# Altium PCB CPU-board-multi-rev.0.1.PcbDoc (part 1 of 3) (continued)
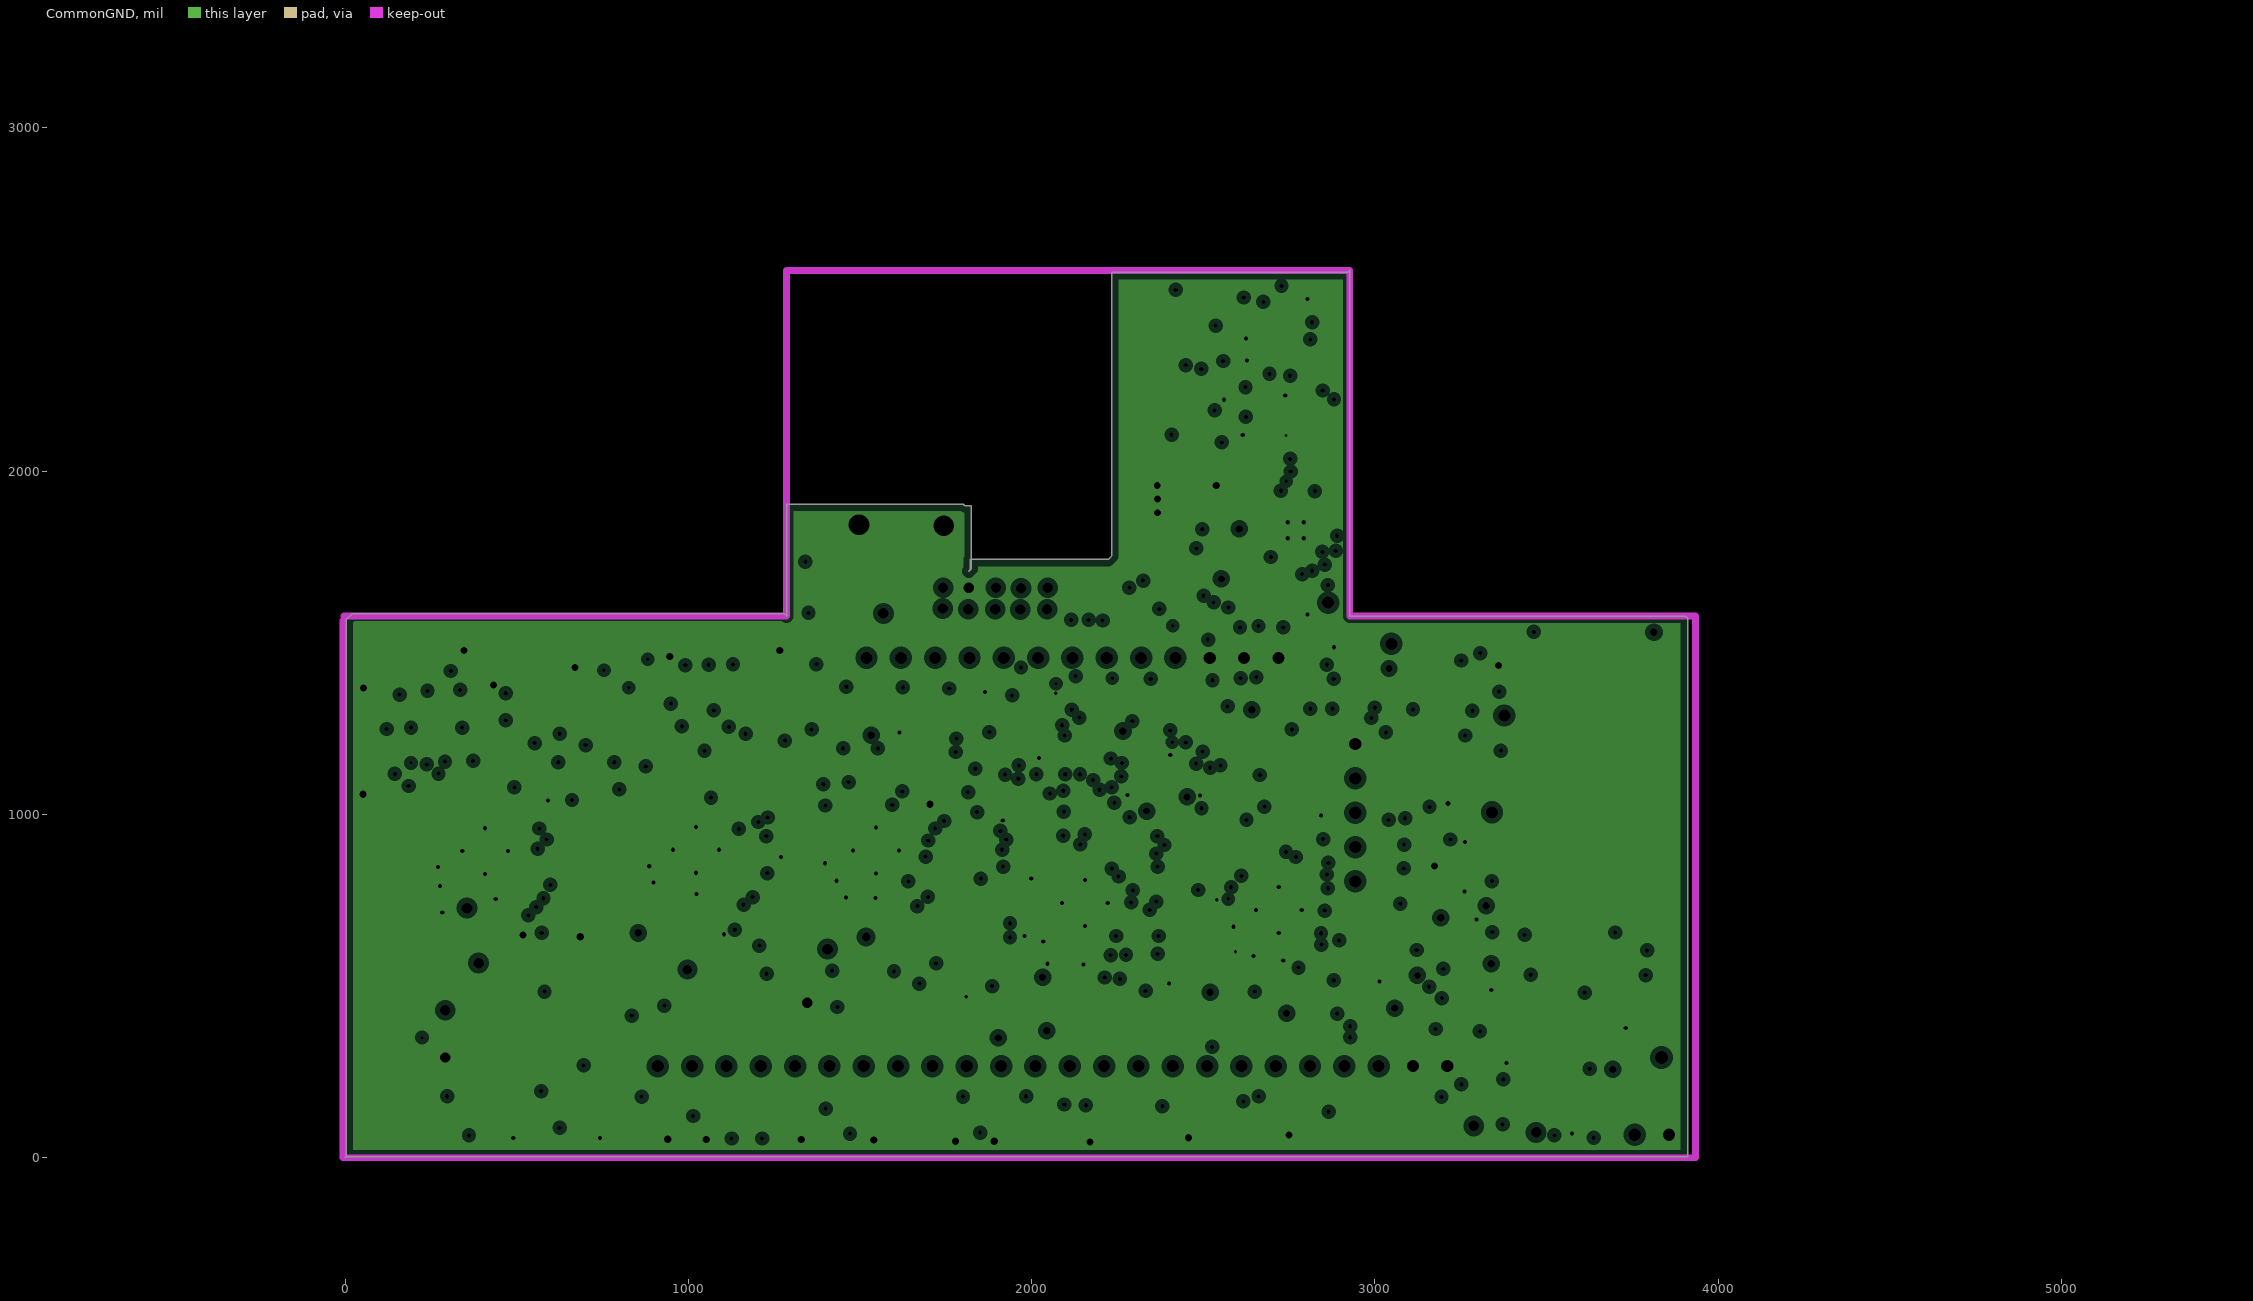
[diagram p5: CommonGND, clearances drawn from the general rule]

## Layer stack, top to bottom
L1: signal copper 1.4
Dielectric: core 12.6, FR-4, Dk 4.8
L2: signal copper 1.4
Dielectric: prepreg 12.6, FR-4, Dk 4.8
L3: signal copper 1.4
Dielectric: core 12.6, FR-4, Dk 4.8
L4: signal copper 1.4
Dielectric: prepreg 12.6, FR-4, Dk 4.8
CommonGND: plane copper 1.4, net GND
Dielectric: core 12.6, FR-4, Dk 4.8
L5: signal copper 1.4

## Board outline
10,1574 20,1584 1274,1584 1280,1584 1286,1578 1286,1904 1801,1904 1804,1901 1806,1899 1824,1899 1824,1715.74 1816.69,1708.43 1821,1712.74 1821,1743 2223,1743 2231,1751 2233,1753 2233,2579 2921,2579 2927,2585 2927,1578 3905,1578 3906,1577 3911,1572 3911,3 3,3 0,0 3,3 3,1569

## Design rules (kind name [scope] priority, off if disabled: settings)
Clearance [All] p1: gap=7.8
PlaneClearance [All] p1: clearance=15
PlaneConnect [All] p1: planeconnectstyle=Relief reliefexpansion=20 reliefentries=4 reliefconductorwidth=10 reliefairgap=10
PolygonConnect [All] p1: connectstyle=Relief reliefconductorwidth=10 reliefentries=4 polygonreliefangle="90 Angle" airgapwidth=10
RoutingTopology [All] p1: topology=Daisy_MidDriven
RoutingVias ThruVia [((StartLayer='L1')and (StopLayer='L4')) or ((StartLayer='L2')and (StopLayer='L3'))  or ((StartLayer='L1-2')and (StopLayer='L3')) or ((StartLayer='L1')and (StopLayer='L2'))or  ((StartLayer='L3')and (StopLayer='L4')) or ((StartLayer='L1')and (StopLayer='L3')) or ((StartLayer='L1')and (StopLayer='L1-2')) or ((StartLayer='L4')and (StopLayer='L3')) or ((StartLayer='L1-2')and (StopLayer='L4')) or ((StartLayer='L2')and (StopLayer='L4')) or ((StartLayer='L1-2')and (StopLayer='L2'))] p1: holewidth=12 width=22 viastyle="Through Hole" minholewidth=10 minwidth=20 maxholewidth=55 maxwidth=77
SMDNeckDown [All] p1: percent=40.000
SolderMaskExpansion [All] p1: expansion=4
Width [All] p1: maxlimit=50 minlimit=3.94 preferedwidth=10
25 further rules are at their usual default settings.

## Classes and differential pairs
component class Sheet1-multi: BT1 C1 C3 C4 C6 C8 C10 C11 C12 C14 C15 C17 C18 C28 C33 C47 C51 C90 C102 C103 C104 C106 C119 C121 D3 D5 D6 D7 D11 D15 D16 J1 L2 L4 L21 Q1 R2 R4 R5 R6 R7 R8 R9 R11 R12 R13 R15 R17 R18 R19 R20 R21 R25 R26 R27 R28 R29 R31 R34 R46 R47 R51 R59 R63 R64 R66 R73 R77 R82 R84 R92 R96 R98 R106 TP2 U1 U2 U4
component class Sheet2-multi: C7 C9 C10 C11 C17 C21 C24 C27 C28 C29 C32 C35 C40 C43 C48 C49 C50 C51 C52 C53 C54 C55 C56 C57 C59 C60 C61 C62 C63 C64 C69 C70 C71 C72 C73 C74 C75 C77 C78 C79 C80 C81 C82 C83 C84 C86 C87 C88 C89 C90 C91 C95 C98 C108 C114 C116 C117 C118 C121 D6 D11 D12 D13 D15 D16 D18 D20 L2 L6 L8 L12 L13 L14 L15 L17 L18 L19 L20 L21 L23 L25 L28 L30 L31 L32 M2 P1 P3 Q1 R19 R20 R25 R27 R32 R33 R34 R37 R40 R41 R42 R43 R44 R45 R47 R51 R52 R53 R54 R55 R56 R57 R58 R59 R61 R63 R64 R67 R69 R73 R74 R75 R77 R78 R79 R80 R82 R84 R85 R88 R89 R97 R100 R104 R113 U4 U7 U8 Y2
component class Sheet3-multi: C7 C10 C11 C12 C17 C18 C21 C22 C23 C24 C25 C26 C40 C44 C47 C51 C54 C59 C66 C67 C71 C83 C95 C98 C103 C104 C108 C114 C117 C119 C121 D5 D6 D15 D19 L3 L4 L8 L9 L17 L23 L25 L27 L28 L29 L31 R4 R6 R7 R12 R20 R25 R46 R50 R54 R59 R60 R67 R68 R71 R73 R79 R88 R91 R92 R93 R97 R102 R103 R104 R105 R107 R108 R111 U7 U8

## Components (designator, comment, footprint, x,y, rotation, side; value= is the part's Value field where it differs from the comment)
BT1 "9.0V" BAT-2 3807,67 r0 top
C1 "10nF/6.3V" 0402C-GENERIC 3348,57 r90 top
C3 ".1uF" 0402C-GENERIC 3059,189 r0 top
C4 "10uF/50V" 1206C-GENERIC 3846,167 r180 bottom
C5 ".1uF/50V" 0402C-GENERIC 3343,294 r270 top
C6 "2.2nF/6.3V" 0402C-GENERIC 3647,334 r0 top
C7 "1uF/6.3V" 0402C-GENERIC 2976,557 r180 top
C8 "22uF" 1206C-GENERIC 3773,235 r90 top
C9 "100nF/35V" 0402C-GENERIC 3056,470 r180 top
C10 "22uF/6.3V" 1206C-GENERIC 3251,360 r0 bottom
C11 "100nF/35V" 0402C-GENERIC 2881,2460 r90 bottom
C12 "10uF/6.3V" 0402C-GENERIC 2712,2180 r90 bottom
C13 "100nF/35V" 0402C-GENERIC 2587,2065 r90 top
C14 "100nF/35V" 0402C-GENERIC 2775,2180 r90 bottom
C15 "10uF/6.3V" 0402C-GENERIC 2584,2425 r270 bottom
C16 "1uF/16V" 0402C-GENERIC 2647,2065 r90 top
C17 "470pF" 0402C-GENERIC 2711,2065 r90 top
C18 "10pF/50V" 0402C-GENERIC 2585,2537 r270 bottom
C19 "10pF/50V" 0402C-GENERIC 2721,2393 r90 bottom
C20 "10pF/50V" 0402C-GENERIC 2655,2283 r90 bottom
C21 "10pF/50V" 0402C-GENERIC 2669,2181 r90 bottom
C22 "1000pF/3kV" 1808 2135,1958 r0 top
C23 "22nF/16V" 0402C-GENERIC 2649,2427 r270 bottom
C24 "100nF/35V" 0402C-GENERIC 2806,1669 r270 top
C25 "18pF/6.3V" 0402C-GENERIC 2658,2063 r180 bottom
C26 "18pF/6.3V" 0402C-GENERIC 2664,1870 r180 bottom
C27 "100nF/10V" 0402C-GENERIC 399,647 r90 top
C28 "1uF/6.3V" 0402C-GENERIC 145,793 r180 top
C29 "150pF/10V" 0402C-GENERIC 312,649 r90 top
C30 "100nF" 0402C-GENERIC 355,689 r270 top
C31 "470uF/6.3V" 470uF/6.3v 292,430 r270 top
C32 "150pF/10V" 0402C-GENERIC 145,747 r180 top
C33 "150pF/10V" 0402C-GENERIC 441,687 r270 top
C34 "100nF/6.3V" 0402 3247,696 r0 top
C35 "10n/16V" 0402C-GENERIC 374,1224 r270 top
C36 "100nF/10V" 0402C-GENERIC 105,834 r0 top
C37 "100nF/6.3V" 0402R-TBD 1786,1053 r270 bottom
C38 "Comment" 0402C-GENERIC 2936,685 r90 bottom
C39 "4.7uF/16V" 0402C-GENERIC 484,686 r270 top
C40 "100nF/6.3V" 0402C-GENERIC 1749,1053 r270 bottom
C41 "100nF/6.3V" 0402C-TBD 1271,454 r0 bottom
C42 "27pF/6.3V" 0402C-GENERIC 2015,1048 r180 bottom
C43 "10n/16V" 0402C-GENERIC 473,1223 r270 top
C44 "100nF/6.3V" 0402C-TBD 2588,2181 r90 bottom
C45 "100nF/6.3V" 0402C-TBD 1443,1226 r180 bottom
C46 "100nF/6.3V" 0402 2115,1333 r180 bottom
C47 "27pF/6.3V" 0402C-GENERIC 1937,799 r0 bottom
C48 "10n/16V" 0402C-GENERIC 189,1286 r90 top
C49 "10pF" 0402C-TBD 565,1002 r90 bottom
C50 "150pF" 0402C-GENERIC 145,922 r180 top
C51 "150pF" 0402C-GENERIC 145,964 r180 top
C52 "100nF" 0402C-GENERIC 145,884 r180 top
C53 "100nF" 0402C-GENERIC 144,1007 r180 top
C54 "10n/16V" 0402C-GENERIC 105,1090 r0 top
C55 "10pF" 0402C-TBD 814,946 r270 bottom
C56 "150pF/10V" 0402C-GENERIC 945,691 r270 top
C57 "100nF" 0402C-GENERIC 897,650 r90 top
C59 "1uF/6.3V" 0402C-GENERIC 723,818 r180 top
C60 "100nF" 0402C-GENERIC 1037,691 r270 top
C61 "150pF/10V" 0402C-GENERIC 1084,690 r270 top
C62 "150pF/10V" 0402C-GENERIC 723,772 r180 top
C63 "100nF" 0402C-GENERIC 724,724 r180 top
C64 "1uF/6.3V" 0402C-GENERIC 990,692 r270 top
C65 "10n/16V" 0402C-GENERIC 927,1184 r90 top
C66 "10n/16V" 0402C-GENERIC 1017,1182 r90 top
C67 ".1uF" 0402C-TBD 1400,1121 r0 bottom
C68 "10n/16V" 0402C-GENERIC 784,1186 r90 top
C69 "150pF" 0402C-GENERIC 723,864 r180 top
C70 "150pF" 0402C-GENERIC 722,1004 r180 top
C71 "100nF" 0402C-GENERIC 723,911 r180 top
C72 "100nF" 0402C-GENERIC 684,957 r0 top
C73 "10n/16V" 0402C-GENERIC 721,1073 r180 top
C74 "150pF/10V" 0402C-GENERIC 1311,626 r180 top
C75 "100nF" 0402C-GENERIC 1312,674 r180 top
C77 "100nF" 0402C-GENERIC 1312,486 r180 top
C78 "1uF/6.3V" 0402C-GENERIC 1310,763 r180 top
C79 "150pF/10V" 0402C-GENERIC 1310,533 r180 top
C80 "150pF/10V" 0402C-GENERIC 1311,717 r180 top
C81 "1uF/6.3V" 0402C-GENERIC 1310,579 r180 top
C82 "100nF" 0402C-GENERIC 1311,809 r180 top
C83 "10n/16V" 0402C-GENERIC 1529,1123 r90 top
C84 "10n/16V" 0402C-GENERIC 1621,1124 r90 top
C85 "10n/16V" 0402C-GENERIC 1424,1123 r90 top
C86 "150pF" 0402C-GENERIC 1310,854 r180 top
C87 "150pF" 0402C-GENERIC 1311,943 r180 top
C88 "100nF" 0402C-GENERIC 1310,898 r180 top
C89 "100nF" 0402C-GENERIC 1310,987 r180 top
C90 "10n/16V" 0402C-GENERIC 1307,1095 r180 top
C91 "100nF" 0402C-GENERIC 1943,465 r270 top
C93 "1uF/6.3V" 0402C-GENERIC 1848,542 r180 top
C94 "10n/16V" 0402C-GENERIC 1945,937 r90 top
C95 "100nF" 0402C-GENERIC 1849,399 r180 top
C96 "150pF/10V" 0402C-GENERIC 2032,465 r270 top
C97 "150pF/10V" 0402C-GENERIC 1849,351 r180 top
C98 "150pF/10V" 0402C-GENERIC 1809,448 r0 top
C99 "1uF/6.3V" 0402C-GENERIC 1987,463 r270 top
C100 "100nF" 0402C-GENERIC 1849,491 r180 top
C101 "10n/16V" 0402C-GENERIC 2073,938 r90 top
C102 "10n/16V" 0402C-GENERIC 1879,980 r270 top
C103 "10n/16V" 0402C-GENERIC 1810,787 r0 top
C104 "150pF" 0402C-GENERIC 1846,629 r180 top
C105 "100nF" 0402C-GENERIC 1846,591 r180 top
C106 "150pF" 0402C-GENERIC 1845,711 r180 top
C107 "100nF" 0402C-GENERIC 1846,668 r180 top
C108 "150pF/10V" 0402C-GENERIC 2535,433 r270 top
C110 "100nF" 0402C-GENERIC 2491,432 r270 top
C111 "1uF/6.3V" 0402C-GENERIC 2445,432 r270 top
C112 "100nF" 0402C-GENERIC 2669,432 r270 top
C113 "150pF/10V" 0402C-GENERIC 2579,432 r270 top
C114 "10n/16V" 0402C-GENERIC 2638,892 r135 top
C116 "100nF" 0402C-GENERIC 2398,432 r270 top
C117 "1uF/6.3V" 0402C-GENERIC 2624,432 r270 top
C118 "10n/16V" 0402C-GENERIC 2717.72,1008.28 r315 top
C119 "10n/16V" 0402C-GENERIC 2549,814 r135 top
C120 "10n/16V" 0402C-GENERIC 2436,720 r180 top
C121 "150pF" 0402C-GENERIC 2439,536 r180 top
C122 "150pF" 0402C-GENERIC 2442,623 r180 top
C123 "100nF" 0402C-GENERIC 2442,581 r180 top
C124 "100nF" 0402C-GENERIC 2438,675 r180 top
D1 "Comment" B340 3591,141 r180 bottom
D2 "2V/20mA" LED-SM 3146,1246.94 r90 bottom
D3 "2V/20mA" LED-SM 3227.94,821 r0 top
D4 "Comment" DO214AA 3037.79,93 r180 bottom
D5 "1N4148" SOD-123 3000,379 r0 top
D6 "9.1V" SOT23-DIODE 3132,1065 r90 bottom
D7 "2V/20mA" LED-SM 3227,888 r0 top
D8 "2V/20mA" LED-SM 1399.06,1696 r180 top
D9 "2V/20mA" LED-SM 1399,1769 r180 top
D10 "LED2" LED-SM 545,593 r0 top
D11 "LED2" LED-SM 541,524 r0 top
D12 "LED2" 0603C-TBD#1 1144,586 r0 top (schematic designator D13)
D13 "LED2" LED-SM 1142,509 r0 top
D14 "LED2" LED-SM 2728.94,1077 r0 bottom
D15 "LED2" LED-SM 2733,997 r0 bottom
D16 "LED2" LED-SM 1579.94,491 r0 top
D17 "LED2" LED-SM 1575.94,580 r0 top
D18 "LED2" LED-SM 2203,394 r0 top
D19 "LED2" LED-SM 2205,465 r0 top
D20 "LED2" LED-SM 2836,384 r0 top
D21 "LED2" LED-SM 2831,455 r0 top
J1 "RJ45-GENERIC" RJ45-8/8 1723,2431 r0 bottom
L1 "15uH/3.3A" "Murata 15uH inductor" 3523.75,572.98 r180 bottom
L2 "4.7uH/2.6A" "Murata 15uH inductor" 3879,574 r180 bottom
L3 "FB1/120 Ohms" 0603C-2U2 2768,2540 r270 bottom
L4 "FeILB" 0603C-TBD#2 375,1328 r270 top
L5 "FeILB" 0603C-TBD#2 166,1403 r0 top
L6 "FeILB" 0603C-TBD#2 427,1327 r270 top
L7 "FeILB" 0603C-TBD#2 278,1328 r270 top
L8 "FeILB" 0603C-TBD#2 58,1402 r0 top
L9 "FeILB" 0603C-TBD#2 44,1325 r270 top
L10 "FeILB" 0603C-TBD#2 1031,1328 r270 top
L11 "FeILB" 0603C-TBD#2 736,1381 r0 top
L12 "FeILB" 0603C-TBD#2 1362,1382 r0 top
L13 "FeILB" 0603C-TBD#2 882,1327 r270 top
L14 "FeILB" 0603C-TBD#2 624,1381 r0 top
L15 "FeILB" 0603C-TBD#2 624,1324 r270 top
L16 "FeILB" 0603C-TBD#2 1714,1383 r180 top
L17 "FeILB" 0603C-TBD#2 1615,1271 r90 top
L18 "FeILB" 0603C-TBD#2 1661,1328 r0 top
L19 "FeILB" 0603C-TBD#2 1462,1327 r270 top
L20 "FeILB" 0603C-TBD#2 1210,1380 r0 top
L21 "FeILB" 0603C-TBD#2 936,1386 r0 top
L22 "FeILB" 0603C-TBD#2 2017,1085 r270 top
L23 "FeILB" 0603C-TBD#2 2159,1367 r180 top
L24 "FeILB" 0603C-TBD#2 2021,1190 r0 top
L25 "FeILB" 0603C-TBD#2 2038,1381 r180 top
L26 "FeILB" 0603C-TBD#2 1916,1381 r270 top
L27 "FeILB" 0603C-TBD#2 1864,1384 r180 top
L28 "FeILB" 0603C-TBD#2 2853,1344 r180 top
L29 "FeILB" 0603C-TBD#2 2828,1490 r270 top
L30 "FeILB" 0603C-TBD#2 2960,1345 r180 top
L31 "FeILB" 0603C-TBD#2 2754,1344 r270 top
L32 "FeILB" 0603C-TBD#2 2705,1344 r270 top
L33 "FeILB" 0603C-TBD#2 2446,780 r180 top
M2 "ESP 8266" ESP8266WROOm-02 3375.13,1461 r270 top (schematic designator M1)
P1 "Header 5" HDR1X5 2943,805 r90 top
P2 "Header 24" HDR1X24 911,267 r0 top
P3 "Header 13" HDR1X13 1519,1456 r0 top
Q1 "MMBT3906" SOT23-BCE 3194,1488 r180 bottom (schematic designator Q4)
Q2 "Comment" MMBT2222 3287.8,1072 r180 bottom
Q3 "Comment" MMBT2222 279.51,100.26 r180 bottom
Q4 "Comment" MMBT2222 563,100 r180 bottom
Q5 "Comment" MMBT2222 857,97 r180 bottom
Q6 "Comment" MMBT2222 1130,98 r180 bottom
Q7 "Comment" MMBT2222 1404.4,99.26 r180 bottom
Q8 "Comment" MMBT2222 1689.8,100 r180 bottom
Q9 "Comment" MMBT2222 1968.4,99.26 r180 bottom
Q10 "Comment" MMBT2222 2248,95 r180 bottom
Q11 "Comment" MMBT2222 2531.8,96 r180 bottom
Q12 "Comment" MMBT2222 2825.8,101 r180 bottom
R1 "100K" 0402R-TBD 3348,179 r270 top
R2 "150R" 0402R-TBD 3269,735 r180 top
R3 "100K" 0402R-TBD 3257,503 r0 top
R4 "47R" 0402R-TBD 3240,1271 r270 bottom
R5 "52.3K" 0402R-TBD 3685,292 r180 top
R6 "10K" 0402R-TBD 3295,611 r180 top
R7 "27K" 0402R-TBD 3255,555 r0 top
R8 "10K" 0402R-TBD 3689,409 r180 top
R9 "1K" 0402R-TBD 3291,1349 r90 bottom
R10 "10R" 0402R-TBD 3077,1278 r90 bottom
R11 "10R" 0402R-TBD 3077,1187 r90 bottom
R12 "57.6K" 0402R-TBD 3085,935 r0 top
R13 "10K" 0402R-TBD 3264,1000 r270 bottom
R14 "0/125W" 0402C-GENERIC 2968,628 r90 top
R15 "27K" 0402R-TBD 3124,812 r180 top
R16 "Comment" 0402C-GENERIC 3193,959 r90 bottom
R17 "10K" 0402R-TBD 3166,656 r270 top
R18 "75K/1%/.125W" 0402C-TBD 3114,740 r0 top
R19 "40.2K/1%/.125W" 0402R-TBD 2944,733 r0 top
R20 "47" 0402R-TBD 3085,881 r0 top
R21 "13K" 0402R-TBD 3117,470 r0 top
R22 "1.5K" 0402R-TBD 2662,1683 r180 top
R23 "49.9" 0402R-TBD 2647,2538 r270 bottom
R24 "49.9" 0402R-TBD 2766,2392 r90 bottom
R25 "49.9" 0402R-TBD 2589,2284 r90 bottom
R26 "49.9" 0402R-TBD 2624,2221 r270 bottom
R27 "75/1%/.125W" 0402R-TBD 1798,2243 r0 top
R28 "75/1%/.125W" 0402R-TBD 1798,2164 r0 top
R29 "100" 0402R-TBD 2569,1879 r180 top
R30 "100" 0402R-TBD 2568,1919 r180 top
R31 "100" 0402R-TBD 2568,1745 r180 top
R32 "100" 0402R-TBD 2569,1789 r180 top
R33 "75/1%/.125W" 0402R-TBD 1804,2443 r0 top
R34 "75/1%/.125W" 0402R-TBD 1805,2363 r0 top
R35 "33" 0402R-TBD 2727,1630 r90 top
R36 "4.7k" 0402R-TBD 2529,1830 r0 top
R37 "12.1k" 0402R-TBD 2780,2104 r270 top
R38 "47" 0402R-TBD 1469,1696 r0 top
R39 "47" 0402R-TBD 1471,1770 r0 top
R40 "220R" 0402R-TBD 286,1184 r90 top
R41 "18.7" 0402R-TBD 328,1328 r270 top
R42 "220R" 0402R-TBD 330,1184 r90 top
R43 "220" 0402C-TBD 481,601 r180 top
R44 "220" 0402C-TBD 482,537 r180 top
R45 "470/1%/.250W" 1206FB-GENERIC 547,1297 r270 top
R46 "1M" 0402R-TBD 1866,913 r90 bottom
R47 "220R" 0402R-TBD 239,1184 r90 top
R48 "470" 0402R-TBD 363,89 r90 bottom
R49 "18.7" 0402R-TBD 230,1326 r270 top
R50 "220R" 0402R-TBD 192,1185 r90 top
R51 "2K" 0402R-TBD 410,87 r90 bottom
R52 "1M" 0402C-GENERIC 670,838 r0 bottom
R53 "470/1%/.250W" 1206FB-GENERIC 117,1300 r270 top
R54 "470" 0402R-TBD 652,85 r90 bottom
R55 "220R" 0402R-TBD 973,1182 r90 top
R56 "2K" 0402R-TBD 699,84 r90 bottom
R57 "18.7" 0402R-TBD 981,1329 r270 top
R58 "220R" 0402R-TBD 879,1183 r90 top
R59 "10k" 0402R-TBD 1440,1171 r180 bottom
R60 "470" 0402R-TBD 981,91 r90 bottom
R61 "470/1%/.250W" 1206FB-GENERIC 1137,1164 r90 top
R62 "2K" 0402R-TBD 940,91 r90 bottom
R63 "220R" 0402R-TBD 832,1186 r90 top
R64 "18.7" 0402R-TBD 830,1330 r270 top
R65 "470" 0402R-TBD 1221,89 r90 bottom
R66 "220R" 0402R-TBD 784,1289 r90 top
R67 "220" 0402C-TBD 2730,927 r0 bottom
R68 "220" 0402C-TBD 2755,1145 r180 bottom
R69 "220" 0402C-TBD 1082,587 r180 top
R70 "220" 0402C-TBD 1081,509 r180 top
R71 "2K" 0402R-TBD 1263,130 r270 bottom
R72 "470/1%/.250W" 1206FB-GENERIC 704,1298 r270 top
R73 "470" 0402R-TBD 1495,93 r90 bottom
R74 "220R" 0402R-TBD 1574,1123 r90 top
R75 "18.7" 0402R-TBD 1565,1326 r270 top
R76 "2K" 0402R-TBD 1542,92 r90 bottom
R77 "220R" 0402R-TBD 1515,1286 r90 top
R78 "470/1%/.250W" 1206FB-GENERIC 1696,1104 r90 top
R79 "470" 0402R-TBD 1821,89 r90 bottom
R80 "220R" 0402R-TBD 1476,1123 r90 top
R81 "2K" 0402R-TBD 1779,89 r90 bottom
R82 "18.7" 0402R-TBD 1410,1327 r270 top
R83 "220R" 0402R-TBD 1364,1288 r90 top
R84 "220" 0402C-TBD 1457,498 r0 top
R85 "470/1%/.250W" 1206FB-GENERIC 1290,1297 r270 top
R86 "220" 0402C-TBD 1499,576 r180 top
R87 "220R" 0402R-TBD 2019,937 r90 top
R88 "18.7" 0402R-TBD 1855,1097 r180 top
R89 "220R" 0402R-TBD 2071,1098 r90 top
R90 "470/1%/.250W" 1206FB-GENERIC 1942,1057 r90 top
R91 "470" 0402R-TBD 2100,127 r270 bottom
R92 "220R" 0402R-TBD 2024,1279 r90 top
R93 "2K" 0402R-TBD 2057,127 r270 bottom
R94 "18.7" 0402R-TBD 1979,1278 r90 top
R95 "220R" 0402R-TBD 1811,941 r90 top
R96 "470/1%/.250W" 1206FB-GENERIC 1837,1170 r90 top
R97 "470" 0402R-TBD 2386,127 r270 bottom
R98 "220R" 0402C-TBD 2137,422 r180 top
R99 "2K" 0402R-TBD 2340,127 r270 bottom
R100 "220R" 0402C-TBD 2138,470 r180 top
R101 "220R" 0402R-TBD 2671,924 r135 top
R102 "470" 0402R-TBD 2630,132 r270 bottom
R103 "18.7" 0402R-TBD 2752,1222 r270 top
R104 "220R" 0402R-TBD 2610.28,865.72 r135 top
R105 "2K" 0402R-TBD 2673,132 r270 bottom
R106 "470/1%/.250W" 1206FB-GENERIC 2833,1255 r270 top
R107 "470" 0402R-TBD 2918,134 r270 bottom
R108 "2K" 0402R-TBD 2960,134 r270 bottom
R109 "220R" 0402R-TBD 2584.28,843.72 r135 top
R110 "18.7" 0402R-TBD 2519.72,955.28 r315 top
R111 "220R" 0402R-TBD 2522,788 r135 top
R112 "470/1%/.250W" 1206FB-GENERIC 2420,861 r90 top
R113 "220R" 0402C-TBD 2767,455 r180 top
R114 "220 R" 0402C-TBD 2763,385 r180 top
TB1-1 "Comment" WagoTB1-1 1374,1814 r0 bottom
TB1-2 "Comment" WagoTB1-1 1371,1651 r0 bottom
TP2 "TESTPOINT" TESTPOINT 4134,314 r0 top (schematic designator TP8)
TrET1 "HX1224NL" HX1224-NL 2472,2084 r90 top
U1 "MP2403" MP2403 3426.51,141.2 r0 top
U2 "MP1470" MP1470 3014.6,561 r0 top
U3 "LAN8720" QFN24_4X4_N 2769.21,1828.26 r270 top
U4 "STPM34" 32M1-A_L 408,893 r225 top
U5 "PIC32MX795" TQFP-PT64_N 2375,1120 r225 bottom
U6 "STPM34" 32M1-A_L 1022,897 r225 top
U7 "23LCV1024" SO8_L 2417.52,595 r180 bottom
U8 "STPM34" 32M1-A_L 1547,895 r225 top
U9 "STPM34" 32M1-A_L 2155,742 r225 top
U10 "STPM34" 32M1-A_L 2720,722 r225 top
Y1 "Comment" CeramicResonator8-16MHZ#1 2592.39,1995 r0 bottom
Y2 "Comment" CeramicResonator8-16MHZ#2 2033.93,964 r270 bottom
Y3 "Comment" CeramicResonator8-16MHZ#1 725.55,908 r180 bottom

## Footprints (in the part's own frame and the unit in brackets; to place one, negate y for a bottom-side part, rotate by r counter-clockwise, add the part's x,y. Pads: shape width x height; smd on the part's side, far side on the other; paste and mask are expansions set on the pad)
32M1-A_L [mm] "32-Pin Quad Flat No-Lead 0.5 mm Pitch, IPC High Density"
  oval 0.7x0.25 smd: 1(-2.45,1.75) 2(-2.45,1.25) 3(-2.45,0.75) 4(-2.45,0.25) 5(-2.45,-0.25) 6(-2.45,-0.75) 7(-2.45,-1.25) 8(-2.45,-1.75) 17(2.45,-1.75) 18(2.45,-1.25) 19(2.45,-0.75) 20(2.45,-0.25) 21(2.45,0.25) 22(2.45,0.75) 23(2.45,1.25) 24(2.45,1.75)
  oval 0.25x0.7 smd: 9(-1.75,-2.45) 10(-1.25,-2.45) 11(-0.75,-2.45) 12(-0.25,-2.45) 13(0.25,-2.45) 14(0.75,-2.45) 15(1.25,-2.45) 16(1.75,-2.45) 25(1.75,2.45) 26(1.25,2.45) 27(0.75,2.45) 28(0.25,2.45) 29(-0.25,2.45) 30(-0.75,2.45) 31(-1.25,2.45) 32(-1.75,2.45)
  rect 3.3x3.3 smd: 33(0,0)
  silkscreen extent -3.47,-2.6 2.6,2.6, body extent -2.58,-2.58 2.58,2.58, height 1
0402 [mm] "Chip Capacitor, Body 1.0x0.5mm, IPC High Density"
  rect 0.6x0.5 smd: 1(-0.5,0) 2(0.5,0)
  body extent -0.55,-0.3 0.55,0.3, height 1.3
0402C-GENERIC [mil]
  rect 25x20 smd: 1(0,0) 2(40,0)
  silkscreen extent -21,-19 61,19
0402C-TBD [mil]
  rect 25x20 smd: 1(0,0) 2(40,0)
  silkscreen extent -21,-19 61,19, body extent 2,-9 39,9, height 19
0402R-TBD [mil]
  rect 25x20 smd: 1(0,0) 2(40,0)
  silkscreen extent -21,-19 61,19, body extent -6,-10 46,10, height 14
470uF/6.3v [mil]
  rect 60x60 hole 30: 1(0,0)
  round 60 hole 30: 2(137.8,0)
  silkscreen extent -87,-157 228,157
0603C-2U2 [mil] "CAPACITOR 0603"
  rect 30x30 smd: 1(0,0) 2(55,0)
  silkscreen extent -23,-23 78,23, body extent -4,-15 59,15, height 19
0603C-TBD#1 [mm] "CAPACITOR 0603 TBD"
  rect 0.8x0.8 smd: 1(0,0) 2(1.5,0)
  silkscreen extent -0.9,-0.7 2.5,0.8
0603C-TBD#2 [mm] "CAPACITOR 0603 TBD"
  rect 0.762x0.762 smd: 1(0,0) 2(1.397,0)
  silkscreen extent -0.58,-0.58 1.98,0.58, body extent -0.1,-0.38 1.5,0.38, height 0.48
1206C-GENERIC [mil]
  rect 60x60 smd: 1(0,0) 2(135,0)
  silkscreen extent -50,-50 185,50, body extent -8,-29 147,29, height 46
1206FB-GENERIC [mm] "FERRITE BEAD 1206"
  rect 1.25x1.7 smd: 1(0,0) 2(3.429,0)
  silkscreen extent -1.27,-1.27 4.7,1.27, body extent 0.11,-0.81 3.31,0.8, height 1.55
1808 [mm]
  rect 1.05x2.3 smd: 1(0,0) 2(4.4,0)
  silkscreen extent -0.9,-1.5 5.28,1.5
B340 [mm]
  rect 2.5x1.7 smd: A(0,0) K(4,0)
  silkscreen extent -1.6,-1.3 5.6,1.5
BAT-2 [mm] "Battery; 2 Leads"
  rect 1.5x1.5 hole 0.9: 1(-1.27,0)
  round 1.5 hole 0.9: 2(1.27,0)
  silkscreen extent -2.54,-1.27 2.54,1.27
CeramicResonator8-16MHZ#1 [mm]
  rect 1.4x1.2 smd: 1(0,0) 2(2.2,0) 3(2.2,1.7) 4(0,1.7)
  silkscreen extent -1.1,-1.1 3.4,2.7
CeramicResonator8-16MHZ#2 [mm]
  rect 1.4x1.2 smd: 1(0,0) 2(2.2,0) 3(2.2,1.7) 4(0,1.7)
  L1 lines w0.127: -0.9,-0.5 -0.7,-0.5 -0.7,-0.7 ; -0.7,-0.7 -0.7,-0.7
  silkscreen extent -1.1,-1.1 3.4,2.7
DO214AA [mm]
  rect 2x2.5 smd: A(-0.875,0) K(-4.425,0)
  silkscreen extent -5.65,-1.58 0.35,1.55, body extent -5.2,-1.3 0,1.3, height 2.4
ESP8266WROOm-02 [mm]
  rect 2.5x0.92 smd: 1(0,12.9) 2(0,11.4) 3(0,9.9) 4(0,8.4) 5(0,6.9) 6(0,5.4) 7(0,3.9) 8(0,2.4) 9(0,0.9) 10(18.3,0.9) 11(18.3,2.4) 12(18.3,3.9) 13(18.3,5.4) 14(18.3,6.9) 15(18.3,8.4) 16(18.3,9.9) 17(18.3,11.4) 18(18.3,12.9)
  silkscreen extent -2.2,0 20.5,20.25
HDR1X5 [mm] "Connector; Header; 5 Position"
  rect 1.5x1.5 hole 0.9: 1(0,0)
  round 1.5 hole 0.9: 2(2.54,0) 3(5.08,0) 4(7.62,0) 5(10.16,0)
  silkscreen extent -1.27,-1.27 11.43,1.27
HDR1X13 [mm] "Connector; Header; 13 Position"
  rect 1.5x1.5 hole 0.9: 1(0,0)
  round 1.5 hole 0.9: 2(2.54,0) 3(5.08,0) 4(7.62,0) 5(10.16,0) 6(12.7,0) 7(15.24,0) 8(17.78,0) 9(20.32,0) 10(22.86,0) 11(25.4,0) 12(27.94,0) 13(30.48,0)
  silkscreen extent -1.27,-1.27 31.75,1.27
HDR1X24 [mm] "Connector; Header; 24 Position"
  rect 1.5x1.5 hole 0.9: 1(0,0)
  round 1.5 hole 0.9: 2(2.54,0) 3(5.08,0) 4(7.62,0) 5(10.16,0) 6(12.7,0) 7(15.24,0) 8(17.78,0) 9(20.32,0) 10(22.86,0) 11(25.4,0) 12(27.94,0) 13(30.48,0) 14(33.02,0) 15(35.56,0) 16(38.1,0) 17(40.64,0) 18(43.18,0) 19(45.72,0) 20(48.26,0) 21(50.8,0) 22(53.34,0) 23(55.88,0) 24(58.42,0)
  silkscreen extent -1.27,-1.27 59.69,1.27
HX1224-NL [mil] "Pulse trans"
  rect 40x75 smd: 1(0,0) 2(80,0) 3(160,0) 4(280,0) 5(360,0) 6(440,0) 7(440,545) 8(360,545) 9(280,545) 10(160,545) 11(80,545) 12(0,545)
  silkscreen extent -55,-71 488,602
LED-SM [mm]
  rect 0.8x0.8 smd: 1(0,0) 2(1.5,0)
  silkscreen extent -0.9,-0.7 2.5,0.8
MMBT2222 [mm]
  rect 0.8x0.9 smd: B(0,0) C(0.95,2) E(1.9,0)
  silkscreen extent -0.8,-0.75 2.7,2.7
MP1470 [mm] "Power  Supply IC"
  rect 0.6x1.2 smd: 1(0,0) 2(0.95,0) 3(1.95,0) 4(1.9,2.6) 5(0.95,2.6) 6(0,2.6)
  silkscreen extent -1,0.4 2.8,2.1
MP2403 [mil]
  rect 28x70 smd: 1(0,0) 2(50,0) 3(100,0) 4(150,0) 5(150,185) 6(100,185) 7(50,185) 8(0,185)
  rect 0x0 smd: 4(70.87,94.49)
  round 0 all layers, no hole: 10(3.94,74.8) 11(47.24,74.8) 12(94.49,74.8) 14(137.8,118.11) 15(94.49,118.11) 16(47.24,118.11) 17(3.94,118.11)
  oval 0x8 all layers, no hole: 13(137.8,74.8)
  silkscreen extent -39,-47 185,236
"Murata 15uH inductor" [mm]
  rect 1.75x3 smd: 1(0,0.025) 2(6.75,0)
  silkscreen extent -0.7,-4.1 7.4,3.9
QFN24_4X4_N [mm] "QFN, 24-Leads, Body 4x4mm, Pitch 0.5mm, IPC Medium Density"
  oval 0.8x0.25 smd: 1(-2,1.25) 2(-2,0.75) 3(-2,0.25) 4(-2,-0.25) 5(-2,-0.75) 6(-2,-1.25) 13(2,-1.25) 14(2,-0.75) 15(2,-0.25) 16(2,0.25) 17(2,0.75) 18(2,1.25)
  oval 0.25x0.8 smd: 7(-1.25,-2) 8(-0.75,-2) 9(-0.25,-2) 10(0.25,-2) 11(0.75,-2) 12(1.25,-2) 19(1.25,2) 20(0.75,2) 21(0.25,2) 22(-0.25,2) 23(-0.75,2) 24(-1.25,2)
  rect 2.3x2.3 smd: 25(0,0)
  silkscreen extent -3,-2.22 2.22,2.22, body extent -2.07,-2.07 2.07,2.07, height 1
RJ45-8/8 [mil]
  round 70 hole 40: 1(-100,350) 2(1,300) 3(-99,250) 4(0,200) 5(-99,150) 6(1,100) 7(-99,50) 8(0,0)
  round 110 hole 110 unplated: A(-340,-55) B(-340,405)
  silkscreen extent -650,-125 75,475
SO8_L [mm] "SOIC, 8-Leads, Body 4.9x3.9mm, Pitch 1.27mm, IPC High Density"
  oval 1.9x0.6 smd: 1(-2.35,1.905) 2(-2.35,0.635) 3(-2.35,-0.635) 4(-2.35,-1.905) 5(2.35,-1.905) 6(2.35,-0.635) 7(2.35,0.635) 8(2.35,1.905)
  silkscreen extent -2.48,-2.5 1,2.88, body extent -2,-2.5 2,2.5, height 1.75
SOD-123 [mm]
  rect 0.9x1.2 smd: A(3.048,0) K(0,0)
  silkscreen extent -0.64,-1.02 3.68,1.02, body extent -0.18,-0.87 3.3,0.87, height 0.79
SOT23-BCE [mil]
  rect 36x36 smd: B(0,0) E(0,-75)
  rect 50x36 smd: C(80,-38)
  silkscreen extent -25,-100 110,25, body extent -3,-95 94,20, height 41
SOT23-DIODE [mm] "SOT23 WITH A/K PIN NUMBERS"
  rect 0.9x0.7 smd: A(0,0) K(2.032,-0.965) NC(0,-1.9)
  silkscreen extent -0.63,-2.54 2.8,0.64, body extent -0.1,-2.41 2.34,0.51, height 1.33
TESTPOINT [mil]
  body extent -54,-52 54,52, height 254
TQFP-PT64_N [mm] "Thin QFP, 64-Leads, Body 10x10mm, Pitch 0.5mm, IPC Medium Density"
  oval 1.8x0.3 smd: 1(-5.55,3.75) 2(-5.55,3.25) 3(-5.55,2.75) 4(-5.55,2.25) 5(-5.55,1.75) 6(-5.55,1.25) 7(-5.55,0.75) 8(-5.55,0.25) 9(-5.55,-0.25) 10(-5.55,-0.75) 11(-5.55,-1.25) 12(-5.55,-1.75) 13(-5.55,-2.25) 14(-5.55,-2.75) 15(-5.55,-3.25) 16(-5.55,-3.75) 33(5.55,-3.75) 34(5.55,-3.25) 35(5.55,-2.75) 36(5.55,-2.25) 37(5.55,-1.75) 38(5.55,-1.25) 39(5.55,-0.75) 40(5.55,-0.25) 41(5.55,0.25) 42(5.55,0.75) 43(5.55,1.25) 44(5.55,1.75) 45(5.55,2.25) 46(5.55,2.75) 47(5.55,3.25) 48(5.55,3.75)
  oval 0.3x1.8 smd: 17(-3.75,-5.55) 18(-3.25,-5.55) 19(-2.75,-5.55) 20(-2.25,-5.55) 21(-1.75,-5.55) 22(-1.25,-5.55) 23(-0.75,-5.55) 24(-0.25,-5.55) 25(0.25,-5.55) 26(0.75,-5.55) 27(1.25,-5.55) 28(1.75,-5.55) 29(2.25,-5.55) 30(2.75,-5.55) 31(3.25,-5.55) 32(3.75,-5.55) 49(3.75,5.55) 50(3.25,5.55) 51(2.75,5.55) 52(2.25,5.55) 53(1.75,5.55) 54(1.25,5.55) 55(0.75,5.55) 56(0.25,5.55) 57(-0.25,5.55) 58(-0.75,5.55) 59(-1.25,5.55) 60(-1.75,5.55) 61(-2.25,5.55) 62(-2.75,5.55) 63(-3.25,5.55) 64(-3.75,5.55)
  silkscreen extent -5.67,-4.25 4.25,4.57, body extent -5,-5 5,5, height 1.2
WagoTB1-1 [mm]
  rect 2.5x1.4 smd: 1(0,0) 1(6.2,0)
  silkscreen extent -1.6,-1.4 7.8,1.2

## Part data
BT1: library part Battery, "Multicell Battery"
C1 C3 C4 C5 C6 C7 C8 C9 C10 C11 C12 C13 C14 C15 C16 C24 C28 C34 C37 C39 C40 C41 C44 C45 C46 C59 C64 C78 C81 C93 C99 C111 C117: library part Cap, "Capacitor"
C17 C18 C19 C20 C21 C23 C25 C26 C27 C29 C30 C32 C33 C35 C36 C42 C43 C47 C48 C49 C50 C51 C52 C53 C54 C55 C56 C57 C60 C61 C62 C63 C65 C66 C67 C68 C69 C70 C71 C72 C73 C74 C75 C77 C79 C80 C82 C83 C84 C85 C86 C87 C88 C89 C90 C91 C94 C95 C96 C97 C98 C100 C101 C102 C103 C104 C105 C106 C107 C108 C110 C112 C113 C114 C116 C118 C119 C120 C121 C122 C123 C124: library part 0805C-18PF-50V-C0G-JOH, "CAPACITOR 0805 CERAMIC"
C22: library part 0805C-18PF-50V-C0G-JOH, "CAPACITOR 1808CERAMIC"
C31: "Polarized Capacitor (Surface Mount)"
D2 D3 D7 D8 D9: library part LED2, "Typical RED, GREEN, YELLOW, AMBER GaAs LED"
D5: library part 1N4001, "1N4001"
D6: library part "D Zener", "Zener Diode"
D10 D11 D12 D13 D14 D15 D16 D17 D18 D19 D20 D21: "Typical RED, GREEN, YELLOW, AMBER GaAs LED"
J1: "GENERIC RJ45 CONNECTOR 8 PIN"
L1 L2: library part Inductor, "Inductor"
L3: library part 1U-1239AS-TOKO, "1239AS-H-1R0N"
L4 L5 L6 L7 L8 L9 L10 L11 L12 L13 L14 L15 L16 L17 L18 L19 L20 L21 L22 L23 L24 L25 L26 L27 L28 L29 L30 L31 L32 L33: library part FerrBeads/ILBB
P1: "Header, 5-Pin"
P2: "Header, 24-Pin"
P3: "Header, 13-Pin"
Q1: library part PNP-GENERIC, "GENERIC PNP BIPOLAR TRANSISTOR"
R1 R2 R3 R4 R5 R6 R7 R8 R9 R10 R11 R12 R13 R14 R15 R17 R18 R19 R20 R21 R22 R23 R24 R25 R26 R27 R28 R29 R30 R31 R32 R33 R34 R35 R36 R37 R38 R39 R40 R41 R42 R43 R44 R45 R46 R47 R48 R49 R50 R51 R52 R53 R54 R55 R56 R57 R58 R59 R60 R61 R62 R63 R64 R65 R66 R67 R68 R69 R70 R71 R72 R73 R74 R75 R76 R77 R78 R79 R80 R81 R82 R83 R84 R85 R86 R87 R88 R89 R90 R91 R92 R93 R94 R95 R96 R97 R98 R99 R100 R101 R102 R103 R104 R105 R106 R107 R108 R109 R110 R111 R112 R113 R114: library part Res3, "Resistor"
TP2: "TESTPOINT SCOPE GRABBER"
TrET1: library part hx1224nl
U5: library part PIC32MX534F064F

## Free pads (board coordinates)
  round 45 hole 30: 0(1742,1660) 0(1815,1598) 0(1817,1660) 0(1894,1598) 0(1896,1660) 0(1967,1597) 0(1969,1659) 0(2045,1598) 0(2047,1660) 1(1741,1600)
  round 87 hole 60: 1(1497,1844) 1(1744,1841)
  round 35 hole 20: 1(2366,1958) 1(3360,1434) 2(2367,1879) 12(2367,1919)
  round 22 hole 12 paste+0: 16(2881,1487)
  round 35 hole 21: 17(2538,1958) 18(518,649) 18(940,54) 18(1052,53) 18(1329,53) 18(1540,52) 18(1778,48) 18(1891,48)
  round 22 hole 12: 17(2615,2105) 18(271,847) 18(277,792) 18(283,714) 18(439,754) 18(490,57) 18(743,57) 19(886,849) 19(899,802) 19(1024,768) 27(2400,508) 32(1270,876) 32(1398,858) 32(1432,807) 32(1459,758) 32(1545,757) 34(1979,646) 34(2034,630) 34(2046,565) 34(2151,563) 34(2588,673) 34(2646,588) 34(2733,575) 34(2804,1582)
  round 20 hole 10: 17(2741,2104) 32(1809,469.5)
  round 35 hole 21 mask+4: 18(2170,46)
  oval 22x20 hole 12: 18(3574,71)
  round 20 hole 12: 31(3014,513)

## Via types
v1: diameter 22, hole 12, L1 to L5, 308 vias
v2: diameter 35, hole 21, L1 to L5, 29 vias
v3: diameter 22, hole 12, L1 to L5, tented top, 20 vias
v4: diameter 20, hole 10, L1 to L5, 14 vias
v5: diameter 45, hole 31, L1 to L5, 7 vias
v6: diameter 50, hole 35, L1 to L5, 4 vias
v7: diameter 25.98, hole 12.99, L1 to L5, tented top, 4 vias
v8: diameter 35, hole 22, L1 to L5, 3 vias
v9: diameter 22, hole 12, L2 to L5, 2 vias
v10: diameter 45, hole 37, L1 to L5, 1 vias
v11: diameter 45, hole 28, L1 to L5, 1 vias
v12: diameter 35, hole 20, L1 to L5, 1 vias
v13: diameter 25, hole 15, L1 to L5, 1 vias
v14: diameter 20, hole 12, L1 to L5, 1 vias
v15: diameter 25, hole 25, L1 to L5, 1 vias

## Nets (pads, with @x,y where several pads share a name; then routed paths per layer and width w, separated by ;. In a path a pad name is that pad's centre, name@x,y a point inside that pad or via, vN(x,y) a via of type N, cw(c..) or ccw(c..) an arc to the next point about the centre after c; other vN are vias at no path point)
CHASSISGND: 